# Altium PCB PCB1.PcbDoc
Units mm, origin at the board's own origin, x right, y up, seen from the top; angles counter-clockwise.
Board outline 152.4 x 101.6 mm, 2 copper layers (Top Layer, Bottom Layer); 94 components, 78 nets, 346 pads, 103 vias.
Unrouted connection lines stored in the file: 34.
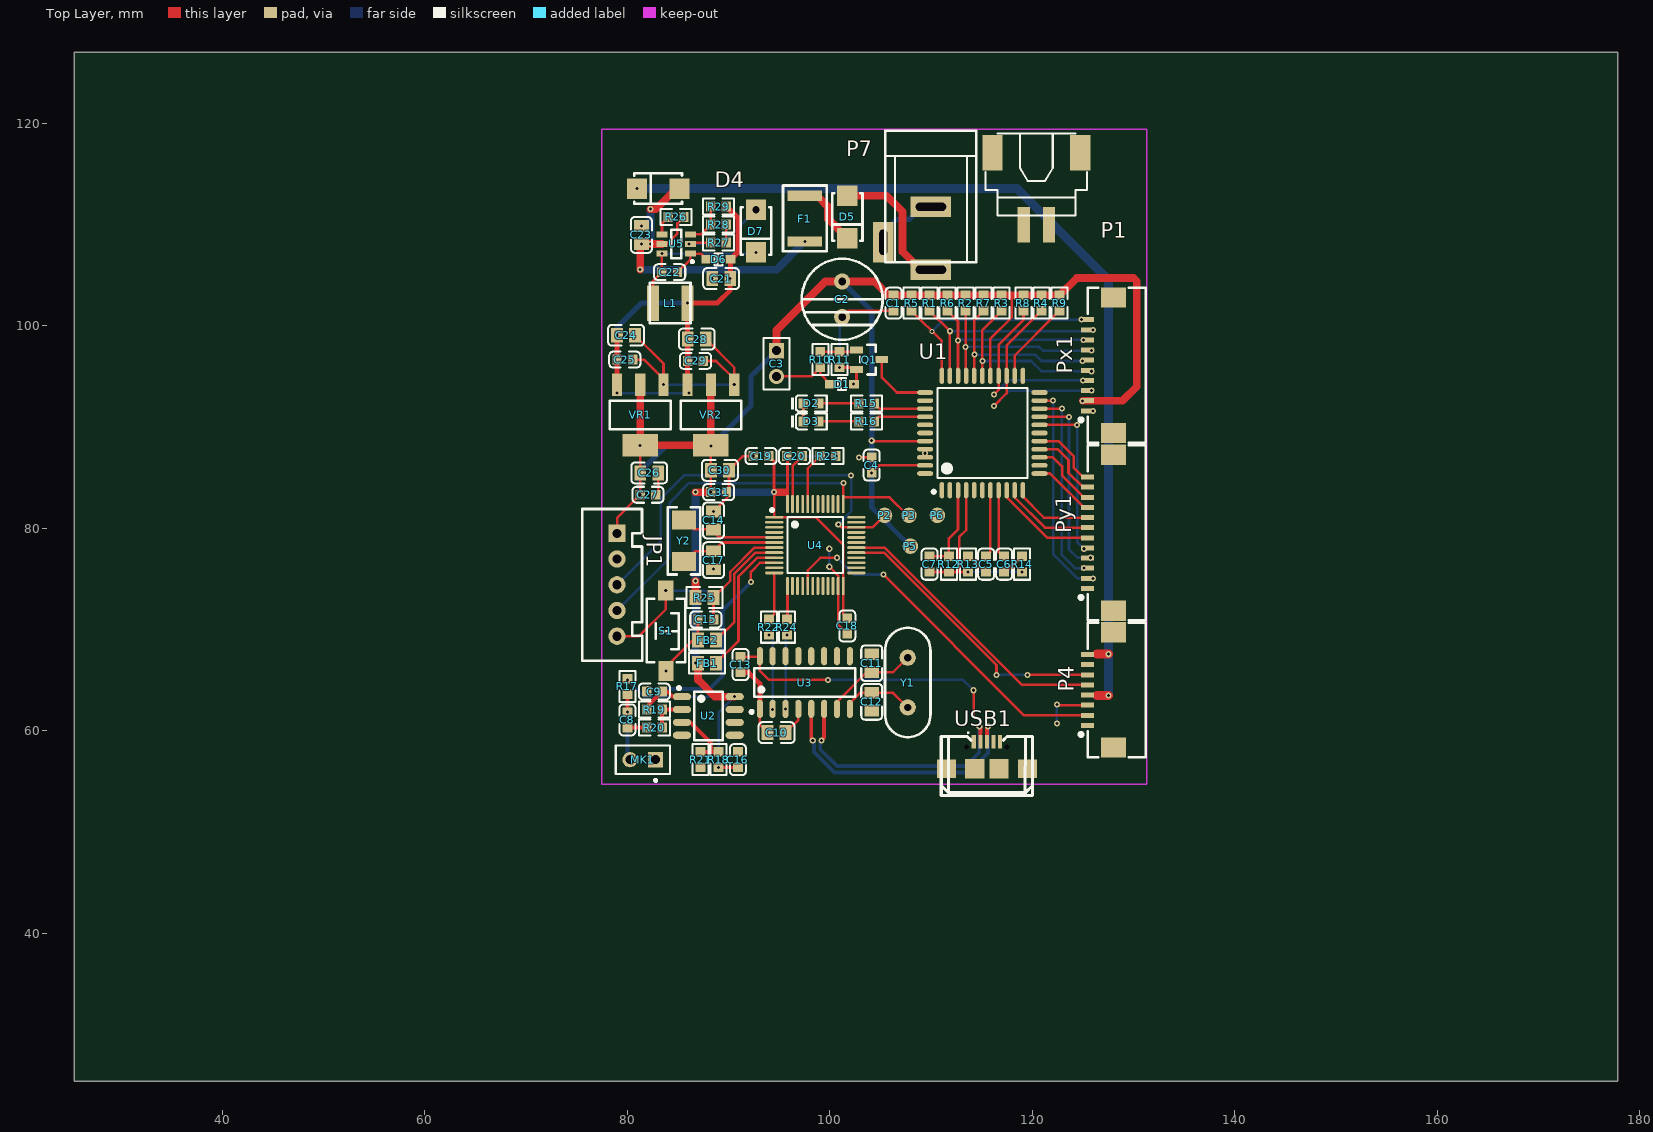
[diagram p0: Top Layer view]
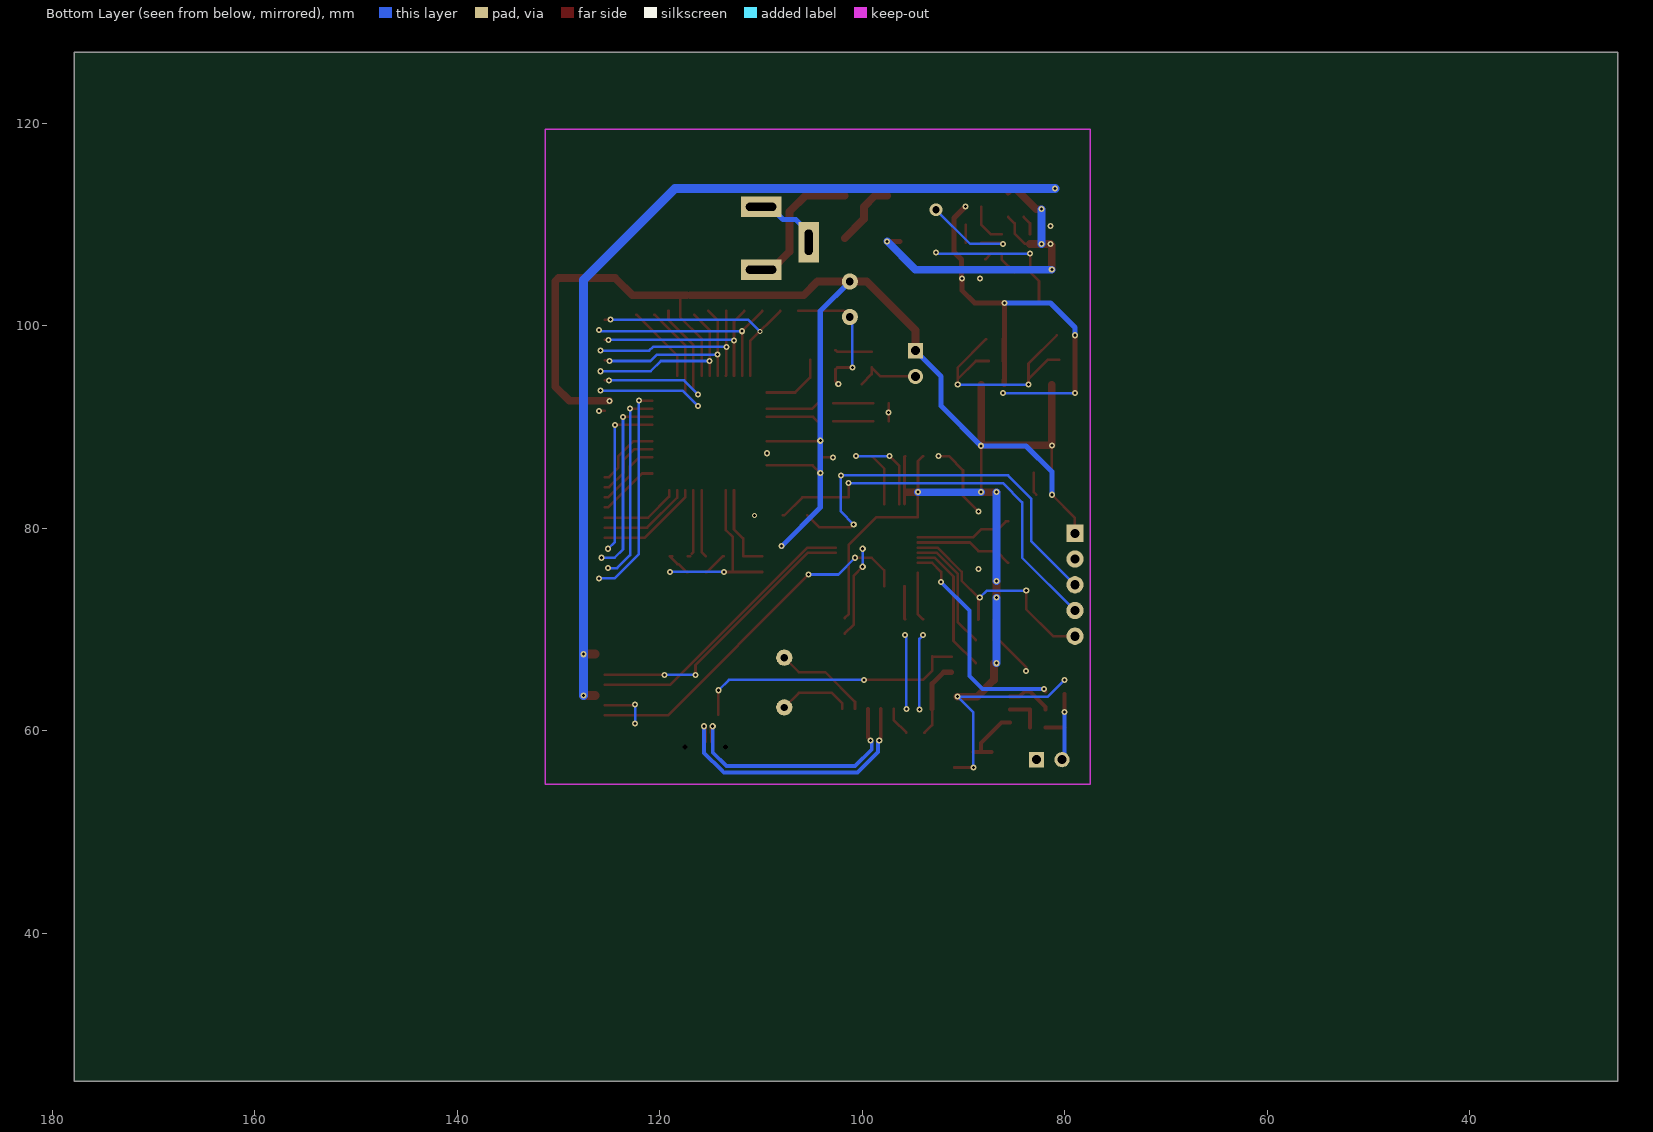
[diagram p1: Bottom Layer view, seen from below]
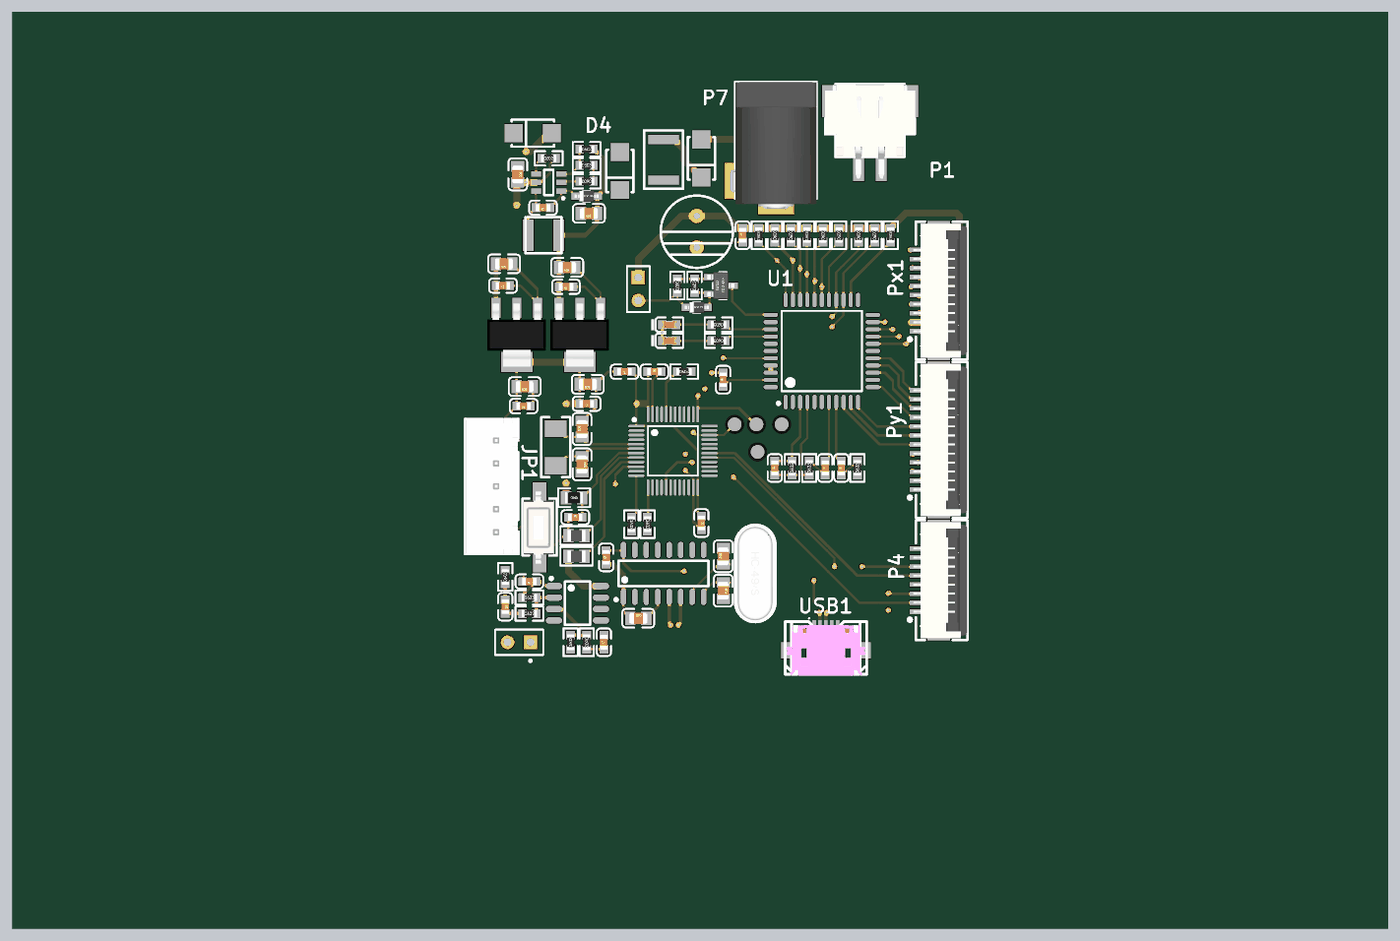
[diagram p2: 3D render of the assembled board from above, using the file's embedded part models]

## Layer stack, top to bottom
Top Solder: solder mask 0.0102, Solder Resist, Dk 3.5
Top Layer: signal copper 0.0356
Dielectric 1: dielectric 0.32, FR-4, Dk 4.8
Bottom Layer: signal copper 0.0356
Bottom Solder: solder mask 0.0102, Solder Resist, Dk 3.5

## Board outline
25.4,25.4 177.8,25.4 177.8,127 25.4,127

## Design rules (kind name [scope] priority, off if disabled: settings)
Clearance [All] p1: gap=0.152
PolygonConnect [All] p1: connectstyle=Relief reliefconductorwidth=0.254 reliefentries=4 polygonreliefangle="90 Angle" airgapwidth=0.254
RoutingVias [All] p1: holewidth=0.711 width=1.27 viastyle="Through Hole" minholewidth=0.3 minwidth=0.6 maxholewidth=0.711 maxwidth=1.27
SolderMaskExpansion [All] p1: expansion=0.102
Width [All] p1: maxlimit=1.27 minlimit=0.152 preferedwidth=0.254
30 further rules are at their usual default settings.

## Components (designator, comment, footprint, x,y, rotation, side; value= is the part's Value field where it differs from the comment)
C1 "100nF (104) 10% 50V" 0603_C 106.299,102.235 r90 top
C2 "220uF" 8X12_CAP 101.219,102.616 r270 top
C3 "10uF" HDR1X2 94.742,97.536 r270 top
C4 "100nF (104) 10% 50V" 0603_C 104.14,86.233 r90 top
C5 "100nF (104) 10% 50V" 0603_C 115.443,76.454 r90 top
C6 "100nF (104) 10% 50V" 0603_C 117.221,76.454 r90 top
C7 "470pF (471) 10% 50V" 0603_C 109.855,76.454 r90 top
C8 "100nF (104) 10% 50V" 0603_C 80.01,61.087 r270 top
C9 "4.7uF (475) 10% 16V" 0603_C 82.677,63.881 r180 top
C10 "100pF (101) 5% 50V" 0805_C 94.742,59.817 r0 top
C11 "22pF (220) 5% 50V" 0805_C 104.14,66.675 r90 top
C12 "22pF (220) 5% 50V" 0805_C 104.14,62.865 r270 top
C13 "100nF (104) 10% 50V" 0603_C 91.186,66.548 r90 top
C14 "22pF (220) 5% 50V" 0805_C 88.519,80.772 r90 top
C15 "100nF (104) 10% 50V" 0603_C 87.757,70.993 r0 top
C16 "100nF (104) 10% 50V" 0603_C 90.932,57.15 r90 top
C17 "22pF (220) 5% 50V" 0805_C 88.519,76.853 r270 top
C18 "100nF (104) 10% 50V" 0603_C 101.727,70.358 r270 top
C19 "100nF (104) 10% 50V" 0603_C 93.218,87.122 r180 top
C20 "100nF (104) 10% 50V" 0603_C 96.52,87.122 r0 top
C21 "22uF (226) 20% 25V" 0805_C 89.273,104.648 r180 top
C22 "22nF (223) 10% 50V" 0603_C 84.193,105.283 r180 top
C23 "10uF (106) 10% 25V" 0805_C 81.399,108.966 r270 top
C24 "10uF (106) 10% 25V" 0805_C 79.883,99.06 r180 top
C25 "100nF (104) 10% 50V" 0603_C 79.756,96.647 r180 top
C26 "10uF (106) 10% 25V" 0805_C 82.169,85.471 r180 top
C27 "100nF (104) 10% 50V" 0603_C 82.042,83.312 r180 top
C28 "10uF (106) 10% 25V" 0805_C 86.868,98.679 r180 top
C29 "100nF (104) 10% 50V" 0603_C 86.741,96.52 r180 top
C30 "10uF (106) 10% 25V" 0805_C 89.154,85.725 r180 top
C31 "100nF (104) 10% 50V" 0603_C 89.027,83.566 r180 top
D1 "1N4148WS T4" SOD-323 101.219,94.234 r0 top
D2 "绿灯 0603" 0603_LED_S1 98.163,92.329 r0 top
D3 "蓝灯 0603" 0603_LED_S1 98.163,90.551 r0 top
D4 "M7" SMA(DO-214AC)_S1 83.058,113.538 r0 top
D5 "SS54" SMA(DO-214AC)_S1 101.727,110.744 r90 top
D6 "1N4148WS T4" SOD-323 89.019,106.553 r0 top
D7 "SS210" SMA(DO-214AC)_S1 92.702,109.347 r90 top
F1 "SMD1812P260_FUSE" SMD1812P260 97.536,112.831 r270 top
FB1 "100Ω ±25% 100MHz" 0805_L 87.884,66.675 r0 top
FB2 "100Ω ±25% 100MHz" 0805_L 87.884,68.961 r0 top
JP1 "HDR-1X5" XH2.54-LI-5P 78.994,74.422 r270 top
L1 "4.7uH ±10%" L_4030 82.242,100.235 r0 top
MK1 "Mic2" PIN2 82.804,57.15 r180 top
P1 "Header 2" XH2.54-WS-2P 120.396,114.935 r180 top
P2 "TP" TP 105.41,81.28 r0 top
P3 "TP" TP 107.823,81.28 r0 top
P4 "Header 8" FPC1.0-2H-WS-8P 128.016,64.033 r90 top
P5 "TP" TP 107.95,78.232 r0 top
P6 "TP" TP 110.617,81.28 r0 top
P7 "Header 3" DC-005 109.982,111.737 r90 top
Px1 "Header 10" FPC1.0-2H-WS-10P 128.016,96.098 r90 top
Py1 "Header 12" FPC1.0-2H-WS-12P 128.016,79.559 r90 top
Q1 "SS8050 Y1" SOT-23(SOT-23-3) 103.886,96.647 r180 top
R1 "47KΩ (4702) ±1%" 0603_R 109.855,102.235 r90 top
R2 "47KΩ (4702) ±1%" 0603_R 113.411,102.235 r90 top
R3 "47KΩ (4702) ±1%" 0603_R 116.967,102.235 r90 top
R4 "47KΩ (4702) ±1%" 0603_R 120.904,102.235 r90 top
R5 "47KΩ (4702) ±1%" 0603_R 108.077,102.235 r90 top
R6 "47KΩ (4702) ±1%" 0603_R 111.633,102.235 r90 top
R7 "47KΩ (4702) ±1%" 0603_R 115.189,102.235 r90 top
R8 "47KΩ (4702) ±1%" 0603_R 119.126,102.235 r90 top
R9 "270KΩ (2703) ±1%" 0603_R 122.682,102.235 r90 top
R10 "10KΩ (1002) ±1%" 0603_R 99.06,96.647 r270 top
R11 "100KΩ (1003) ±1%" 0603_R 100.965,96.647 r90 top
R12 "47KΩ (4702) ±1%" 0603_R 111.76,76.454 r90 top
R13 "10KΩ (1002) ±1%" 0603_R 113.665,76.454 r90 top
R14 "10KΩ (1002) ±1%" 0603_R 118.999,76.454 r90 top
R15 "220Ω (2200) ±1%" 0603_R 103.624,92.329 r180 top
R16 "220Ω (2200) ±1%" 0603_R 103.624,90.551 r180 top
R17 "10KΩ (1002) ±1%" 0603_R 80.01,64.389 r90 top
R18 "10KΩ (1002) ±1%" 0603_R 89.027,57.15 r270 top
R19 "49.9KΩ (4992) ±1%" 0603_R 82.677,62.103 r0 top
R20 "1KΩ (1001) ±1%" 0603_R 82.677,60.325 r0 top
R21 "10KΩ (1002) ±1%" 0603_R 87.249,57.15 r90 top
R22 "100Ω (1000) ±1%" 0603_R 93.98,70.231 r270 top
R23 "10KΩ (1002) ±1%" 0603_R 99.822,87.122 r0 top
R24 "100Ω (1000) ±1%" 0603_R 95.758,70.231 r270 top
R25 "10KΩ (1002) ±1%" 0805_R 87.63,73.152 r180 top
R26 "100KΩ (1003) ±1%" 0603_R 84.828,110.744 r0 top
R27 "2KΩ (2001) ±1%" 0603_R 89.019,108.204 r180 top
R28 "7.5KΩ (7501) ±1%" 0603_R 89.019,109.982 r0 top
R29 "49.9KΩ (4992) ±1%" 0603_R 89.019,111.76 r0 top
S1 "SW-SPST" "TSW SMD-3*6*2.5" 83.82,69.85 r270 top
U1 "F44_Piano" LQFP-44_10x10x08P 115.062,89.408 r0 top
U2 "LM358DR2G" SOIC-8_150mil 88.011,61.468 r270 top
U3 "CH340G" SOIC-16_150mil 97.536,64.77 r0 top
U4 "STM32F030C8T6" LQFP-48_7x7x05P 98.572,78.345 r270 top
U5 "MP2359DJ-LF-Z" SOT-23-6 84.828,108.077 r0 top
USB1 "MicroUSB" MicroUSB 114.213,58.936 r270 top
VR1 "AMS1117-3.3" SOT-223 81.28,91.186 r90 top
VR2 "AMS1117-3.3" SOT-223 88.265,91.186 r90 top
Y1 "12MHz" Y 107.696,64.77 r270 top
Y2 "8MHz" SMD-5032_2P 85.598,78.758 r270 top

## Footprints (in the part's own frame and the unit in brackets; to place one, negate y for a bottom-side part, rotate by r counter-clockwise, add the part's x,y. Pads: shape width x height; smd on the part's side, far side on the other; paste and mask are expansions set on the pad)
8X12_CAP [mm]
  round 1.6 hole 0.75: 1(-1.75,0) 2(1.75,0)
  silkscreen extent -4,-4 4,4
0603_C [mm]
  rect 0.93x0.98 smd: 1(-0.77,0) 2(0.77,0)
  silkscreen extent -1.53,-0.79 1.54,0.79, body extent -0.8,-0.4 0.8,0.4, height 0.3
0603_LED_S1 [mm]
  rect 0.93x0.98 smd: A(0.77,0) K(-0.77,0)
  silkscreen extent -1.97,-0.79 1.54,0.79, body extent -0.8,-0.4 0.8,0.4, height 0.6
0603_R [mm]
  rect 0.93x0.98 smd: 1(-0.77,0) 2(0.77,0)
  silkscreen extent -1.53,-0.79 1.54,0.79, body extent -0.85,-0.4 0.85,0.4, height 0.56
0805_C [mm]
  rect 1.16x1.47 smd: 1(-0.89,0) 2(0.89,0)
  silkscreen extent -1.77,-1.04 1.77,1.04, body extent -1,-0.62 1,0.63, height 0.77
0805_L [mm]
  rect 1.16x1.47 smd: 1(-0.89,0) 2(0.89,0)
  silkscreen extent -1.77,-1.04 1.77,1.03, body extent -1.02,-0.64 1.03,0.64, height 0.6
0805_R [mm]
  rect 1.16x1.47 smd: 1(-0.89,0) 2(0.89,0)
  silkscreen extent -1.77,-1.04 1.77,1.03, body extent -1,-0.62 1,0.63, height 0.49
DC-005 [mm] "5.5*2.1mm，DC30V,2.5A"
  rect 2x4 hole 0.8 slot 3 at 90 deg: 1(-6.2,0) 2(0,0)
  rect 4x2 hole 0.8 slot 2.5 at 0 deg: 3(-3.5,4.7)
  silkscreen extent -5.48,-4.5 7.5,4.5, body extent -6.55,-4.5 7.5,4.8, height 11.2
FPC1.0-2H-WS-8P [mm] "翻盖FPC，脚距1mm，不含脚（长12.9mm，宽5.2mm，高1.96mm）"
  rect 2x2.5 smd: 0(-5.69,0) 0(5.69,0)
  rect 0.5x1.25 smd: 1(-3.5,2.575) 2(-2.5,2.575) 3(-1.5,2.575) 4(-0.5,2.575) 5(0.5,2.575) 6(1.5,2.575) 7(2.5,2.575) 8(3.5,2.575)
  silkscreen extent -6.64,-3.18 6.64,3.31, body extent -6.45,-3.15 6.45,2.85, height 2
FPC1.0-2H-WS-10P [mm] "翻盖FPC，脚距1mm，不含脚（长14.9mm，宽5.2mm，高1.96mm）"
  rect 2x2.5 smd: 0(-6.69,0) 0(6.69,0)
  rect 0.5x1.25 smd: 1(-4.5,2.575) 2(-3.5,2.575) 3(-2.5,2.575) 4(-1.5,2.575) 5(-0.5,2.575) 6(0.5,2.575) 7(1.5,2.575) 8(2.5,2.575) 9(3.5,2.575) 10(4.5,2.575)
  silkscreen extent -7.64,-3.18 7.64,3.31, body extent -7.45,-3.15 7.45,2.85, height 2
FPC1.0-2H-WS-12P [mm] "翻盖FPC，脚距1mm，不含脚（长16.9mm，宽5.2mm，高1.96mm）"
  rect 2x2.5 smd: 0(-7.69,0) 0(7.69,0)
  rect 0.5x1.25 smd: 1(-5.5,2.575) 2(-4.5,2.575) 3(-3.5,2.575) 4(-2.5,2.575) 5(-1.5,2.575) 6(-0.5,2.575) 7(0.5,2.575) 8(1.5,2.575) 9(2.5,2.575) 10(3.5,2.575) 11(4.5,2.575) 12(5.5,2.575)
  silkscreen extent -8.64,-3.18 8.64,3.31, body extent -8.45,-3.15 8.45,2.85, height 2
HDR1X2 [mm] "Connector; Header; 2 Position"
  rect 1.5x1.5 hole 0.9: 1(0,0)
  round 1.5 hole 0.9: 2(2.54,0)
  silkscreen extent -1.27,-1.27 3.81,1.27
L_4030 [mm]
  rect 1.2x3.5 smd: 1(0.3,2) 2(3.7,2)
  silkscreen extent 0,0 4,4
LQFP-44_10x10x08P [mm]
  oval 0.45x1.6 smd: 1(-4,-5.65) 2(-3.2,-5.65) 3(-2.4,-5.65) 4(-1.6,-5.65) 5(-0.8,-5.65) 6(0,-5.65) 7(0.8,-5.65) 8(1.6,-5.65) 9(2.4,-5.65) 10(3.2,-5.65) 11(4,-5.65) 23(4,5.65) 24(3.2,5.65) 25(2.4,5.65) 26(1.6,5.65) 27(0.8,5.65) 28(0,5.65) 29(-0.8,5.65) 30(-1.6,5.65) 31(-2.4,5.65) 32(-3.2,5.65) 33(-4,5.65)
  oval 1.6x0.45 smd: 12(5.65,-4) 13(5.65,-3.2) 14(5.65,-2.4) 15(5.65,-1.6) 16(5.65,-0.8) 17(5.65,0) 18(5.65,0.8) 19(5.65,1.6) 20(5.65,2.4) 21(5.65,3.2) 22(5.65,4) 34(-5.65,4) 35(-5.65,3.2) 36(-5.65,2.4) 37(-5.65,1.6) 38(-5.65,0.8) 39(-5.65,0) 40(-5.65,-0.8) 41(-5.65,-1.6) 42(-5.65,-2.4) 43(-5.65,-3.2) 44(-5.65,-4)
  silkscreen extent -4.95,-5.95 4.45,4.45
LQFP-48_7x7x05P [mm]
  oval 0.28x1.8 smd mask+0.051: 1(-2.75,-4.05) 2(-2.25,-4.05) 3(-1.75,-4.05) 4(-1.25,-4.05) 5(-0.75,-4.05) 6(-0.25,-4.05) 7(0.25,-4.05) 8(0.75,-4.05) 9(1.25,-4.05) 10(1.75,-4.05) 11(2.25,-4.05) 12(2.75,-4.05) 25(2.75,4.05) 26(2.25,4.05) 27(1.75,4.05) 28(1.25,4.05) 29(0.75,4.05) 30(0.25,4.05) 31(-0.25,4.05) 32(-0.75,4.05) 33(-1.25,4.05) 34(-1.75,4.05) 35(-2.25,4.05) 36(-2.75,4.05)
  oval 1.8x0.28 smd mask+0.051: 13(4.05,-2.75) 14(4.05,-2.25) 15(4.05,-1.75) 16(4.05,-1.25) 17(4.05,-0.75) 18(4.05,-0.25) 19(4.05,0.25) 20(4.05,0.75) 21(4.05,1.25) 22(4.05,1.75) 23(4.05,2.25) 24(4.05,2.75) 37(-4.05,2.75) 38(-4.05,2.25) 39(-4.05,1.75) 40(-4.05,1.25) 41(-4.05,0.75) 42(-4.05,0.25) 43(-4.05,-0.25) 44(-4.05,-0.75) 45(-4.05,-1.25) 46(-4.05,-1.75) 47(-4.05,-2.25) 48(-4.05,-2.75)
  silkscreen extent -3.6,-4.42 2.75,2.75
MicroUSB [mm] "Connector; USB1.1, Type B, SM; 4 Position; Right Angle"
  rect 1.8x1.9 smd: 0(2.675,5.3) 0(2.675,-2.7)
  rect 1.9x1.9 smd: 0(2.675,2.5) 0(2.675,0.1)
  rect 1.35x0.4 smd mask+0.001: 1(0,0) 2(0,0.65) 3(0,1.3) 4(0,1.95) 5(0,2.6)
  round 0 hole 0.5 unplated mask+0.001: MH1(0.525,3.3) MH2(0.525,-0.7)
  silkscreen extent -0.89,-3.21 5.33,5.81, body extent -0.11,-3.09 5.52,5.71, height 2.79
PIN2 [mm] "Photosensitive Diode; 2 Leads"
  rect 1.5x1.5 hole 0.9: 1(0,0)
  round 1.5 hole 0.9: 2(2.54,0)
  silkscreen extent -1.4,-1.4 3.94,2.17
SMA(DO-214AC)_S1 [mm]
  rect 2x2 smd: 1(2.1,0) 2(-2.1,0)
  silkscreen extent -2.35,-1.5 2.35,1.5
SMD1812P260 [mm]
  rect 1x3.41 smd: 1(0,0) 2(4.5,0)
  silkscreen extent -1.02,-2.16 5.46,2.16
SMD-5032_2P [mm]
  rect 1.9x2.4 smd: 1(-2.05,0) 2(2.05,0)
  silkscreen extent -3.32,-1.6 3.32,1.6
SOD-323 [mm]
  rect 1x0.83 smd: 1(1.18,0) 2(-1.18,0)
  silkscreen extent -0.4,-0.6 0.4,0.6, body extent -1.35,-0.62 1.35,0.63, height 1.1
SOIC-8_150mil [mm]
  oval 0.7x1.8 smd: 1(-1.905,-2.6) 2(-0.635,-2.6) 3(0.635,-2.6) 4(1.905,-2.6) 5(1.905,2.6) 6(0.635,2.6) 7(-0.635,2.6) 8(-1.905,2.6)
  silkscreen extent -2.9,-3.05 2.4,1.4
SOIC-16_150mil [mm]
  oval 0.6x1.8 smd: 1(-4.445,-2.6) 2(-3.175,-2.6) 3(-1.905,-2.6) 4(-0.635,-2.6) 5(0.635,-2.6) 6(1.905,-2.6) 7(3.175,-2.6) 8(4.445,-2.6) 9(4.445,2.6) 10(3.175,2.6) 11(1.905,2.6) 12(0.635,2.6) 13(-0.635,2.6) 14(-1.905,2.6) 15(-3.175,2.6) 16(-4.445,2.6)
  silkscreen extent -5.4,-3.05 4.97,1.4
SOT-23(SOT-23-3) [mm]
  rect 1.25x0.7 smd: 1(1.25,-0.95) 2(1.25,0.95) 3(-1.25,0)
  silkscreen extent -0.65,-1.46 0.9,1.46, body extent -1.5,-1.5 1.5,1.5, height 1.3
SOT-23-6 [mm]
  rect 1.1x0.6 smd: 1(1.4,-0.95) 2(1.4,0) 3(1.4,0.95) 4(-1.4,0.95) 5(-1.4,0) 6(-1.4,-0.95)
  silkscreen extent -0.5,-1.87 1.73,1.4
SOT-223 [mm]
  rect 2.2x1 smd: 1(3,-2.3) 2(3,0) 3(3,2.3)
  rect 2.2x3.5 smd: 2(-3,0)
  silkscreen extent -1.4,-3 1.4,3, body extent -3.49,-3.24 3.49,3.24, height 1.64
TP [mil]
  round 60 smd mask+11.81: 1(0,0)
"TSW SMD-3*6*2.5" [mm] "3*6*2.5mm"
  rect 2x1.5 smd: 1(-3.996,-0.02) 2(3.937,0)
  silkscreen extent -3.21,-1.9 3.09,1.9, body extent -4,-1.88 4,1.62, height 2.59
XH2.54-LI-5P [mm] "接插件，5P"
  rect 1.7x1.7 hole 0.9: 1(-5.08,0)
  round 1.7 hole 0.9: 2(-2.54,0) 3(0,0) 4(2.54,0) 5(5.08,0)
  silkscreen extent -7.48,-3.45 7.52,2.49, body extent -7.58,-3.3 7.58,2.4, height 7.03
XH2.54-WS-2P [mm] "长：10mm，宽：8mm，高：6.1mm"
  rect 2x3.5 smd: 0(-4.327,-2.15) 0(4.327,-2.15)
  rect 1.2x3.5 smd: 1(-1.25,4.981) 2(1.25,4.981)
  silkscreen extent -5,-4.06 5,4.06, body extent -5,-4 5,6.42, height 6.05
Y [mm]
  round 1.6 hole 0.7: 1(-2.45,0) 2(2.45,0)
  silkscreen extent -5.39,-2.25 5.39,2.25, body extent -5.39,-2.27 5.41,2.23, height 3.6

## Part data
C1 C4 C5 C6 C8 C13 C15 C16 C18 C19 C20 C25 C27 C29 C31: library part "0603 100nF (104) 10% 50V", "贴片电容"
C2 C3: library part CAP
C7: library part "0603 470pF (471) 10% 50V", "贴片电容"
C9: library part "0603 4.7uF (475) 10% 16V", "贴片电容"
C10: library part "0805 100pF (101) 5% 50V", "贴片电容"
C11 C12 C14 C17: library part "0805 22pF (220) 5% 50V", "贴片电容"
C21: library part "0805 22uF (226) 20% 25V", "贴片电容"
C22: library part "0603 22nF (223) 10% 50V", "贴片电容"
C23 C24 C26 C28 C30: library part "0805 10uF (106) 10% 25V", "贴片电容"
D1 D6: library part "SOD-323 1N4148WS T4", "二极管"
D2: library part "0603 绿灯", "发光二极管"
D3: library part "0603 蓝灯", "发光二极管"
D4: library part "SMA(DO-214AC) M7", "二极管"
D5: library part "SMA(DO-214AC) SS54", "二极管"
D7: library part "SMA(DO-214AC) SS210", "二极管"
FB1 FB2: library part "0805 100Ω 25% 100MHz", "贴片磁珠"
JP1: library part "Header 5", "5P接插件"
L1: library part "0603 4.7uH 10%", "贴片电感"
MK1: "Microphone"
P1: "Header, 2-Pin"
P4: "Header, 8-Pin"
P7: "Header, 3-Pin"
Px1: "Header, 10-Pin"
Py1: "Header, 12-Pin"
Q1: library part "SOT-23 SS8050 Y1", "三极管"
R1 R2 R3 R4 R5 R6 R7 R8 R12: library part "0603 47KΩ (4702) 1%", "贴片电阻"
R9: library part "0603 270KΩ (2703) 1%", "贴片电阻"
R10 R13 R14 R17 R18 R21 R23: library part "0603 10KΩ (1002) 1%", "贴片电阻"
R11 R26: library part "0603 100KΩ (1003) 1%", "贴片电阻"
R15 R16: library part "0603 220Ω (2200) 1%", "贴片电阻"
R19 R29: library part "0603 49.9KΩ (4992) 1%", "贴片电阻"
R20: library part "0603 1KΩ (1001) 1%", "贴片电阻"
R22 R24: library part "0603 100Ω (1000) 1%", "贴片电阻"
R25: library part "0805 10KΩ (1002) 1%", "贴片电阻"
R27: library part "0603 2KΩ (2001) 1%", "贴片电阻"
R28: library part "0603 7.5KΩ (7501) 1%", "贴片电阻"
S1: "Single-Pole, Single-Throw Switch"
U2: library part LM358DR2G_[C7950], "通用运放"
U3: library part CH340G_[C14267], "USB"
U4: "ARM"
U5: library part MP2359DJ-LF-Z_[C14259], "DC-DCоƬ"
VR1 VR2: library part "SOT-223 AMS1117-3.3", "低压差线性稳压(LDO)"
Y1 Y2: library part "SMD-5032_2P 8MHz 20ppm 20pF", "贴片晶振"

## Via types
v1: diameter 0.6, hole 0.3, Top Layer to Bottom Layer, 100 vias
v2: diameter 0.5, hole 0.3, Top Layer to Bottom Layer, 2 vias
v3: diameter 1.27, hole 0.711, Top Layer to Bottom Layer, 1 vias

## Nets (pads, with @x,y where several pads share a name; then routed paths per layer and width w, separated by ;. In a path a pad name is that pad's centre, name@x,y a point inside that pad or via, vN(x,y) a via of type N, cw(c..) or ccw(c..) an arc to the next point about the centre after c; other vN are vias at no path point)
AMP_N: P1.2 U1.1
AMP_P: P1.1 U1.44
AOUT: C7.2 R12.2 U1.3 | length 8.8
  Top Layer w0.254: C7.2 R12.2 111.76,78.994 112.662,79.896 U1.3
D_N: U3.6 USB1.2 | length 25.3
  Top Layer w0.381: v1(99.169,59.055) 99.441,59.327 U3.6 ; v1(114.761,60.452) 114.871,60.343 114.871,59.809 114.863,59.802 USB1.2
  Bottom Layer w0.381: v1(99.169,59.055) 99.06,58.946 99.06,58.166 100.711,56.515 113.411,56.515 114.761,57.865 v1(114.761,60.452)
D_P: U3.5 USB1.3 | length 27.1
  Top Layer w0.381: v1@98.171,59.293 U3.5 ; USB1.3 115.513,59.802 115.506,59.809 115.506,60.343 v1(115.615,60.452)
  Bottom Layer w0.381: v1(98.316,59.055) 98.425,58.946 98.425,57.903 100.262,56.066 100.448,55.88 113.674,55.88 113.86,56.066 115.615,57.821 v1(115.615,60.452)
DATA_IN: P4.2 U4.17 | length 36.1
  Top Layer w0.254: U4.17 97.822,75.851 99.06,77.089 v1(100.711,77.089) ; v1(105.283,75.438) 119.188,61.533 P4.2
  Bottom Layer w0.254: v1(100.711,77.089) 102.362,75.438 v1(105.283,75.438)
DEBUG_RX: R24.1 U4.13 | length 3.3
  Top Layer w0.254: R24.1 95.822,71.065 U4.13
DEBUG_TX: R22.1 U4.12 | length 4.8
  Top Layer w0.254: R22.1 94.522,71.543 U4.12
GND: C1.1 C2.2 C4.2 C10.1 C11.2 C12.2 C13.1 C14.2 C15.1 C16.2 C17.2 C18.2 C19.2 C20.2 C21.2 C23.1 C24.1 C25.1 C26.1 C27.1 C28.1 C29.1 C30.1 C31.1 D1.1 D2.K D3.K FB2.1 JP1.2 MK1.1 P4.1 P4.3 P4.7 P6.1 P7.2 P7.3 Px1.1 Q1.2 R11.1 R21.1 R23.2 S1.2 U1.41 U1.42 U2.4 U3.1 U4.23 U4.47 USB1.0 USB1.5 VR1.1 VR2.1 | length 96.9
  Top Layer w0.254: C25.1 81.661,96.647 VR1.1@83.58,94.728 ; C24.1 83.58,96.253 VR1.1@83.58,94.728 ; C27.1 83.059,83.559 C26.1 ; v1(83.58,94.186) VR1.1@83.58,94.728 ; v1(83.82,65.913) 83.82,66.294 86.487,68.961 FB2.1 86.987,68.968 C15.1 ; C29.1 88.773,96.52 VR2.1@90.565,94.728 ; C28.1 90.565,95.872 VR2.1@90.565,94.728 ; v1(88.519,81.661) 90.044,83.187 C30.1 91.441,87.122 C19.2 v1(92.456,87.122) ; VR2.1@90.565,94.457 VR2.1@90.565,94.728 ; U3.1 93.091,60.578 C10.1 ; U4.47 96.322,86.154 v1(97.29,87.122) ; D3.K v1(97.393,91.44) D2.K ; v1(99.949,76.2) 100.822,75.327 U4.23 100.822,70.493 C18.2 ; v1(100.965,95.877) 102.456,95.877 Q1.2 102.636,94.508 v1(102.362,94.234) ; C2.2 101.818,101.465 C1.1 ; v1(102.87,86.995) 102.878,87.003 C4.2 ; v1(122.428,62.582) 122.379,62.533 P4.3 ; Px1.1 125.953,91.598 v1(125.984,91.567)
  Top Layer w0.508: C13.1 91.956,65.778 93.091,64.643 U3.1
  Bottom Layer w0.254: v1(83.58,94.186) v1(90.565,94.186) ; v1(97.29,87.122) v1(100.592,87.122) ; v1(99.949,76.2) v1(99.949,77.978) ; v1(100.965,95.877) 100.965,100.612 C2.2 ; v1(122.428,60.706) v1(122.428,62.582)
  Bottom Layer w0.508: P7.3 105.282,109.219 106.553,110.49 107.823,110.49 109.07,111.737 P7.2
  other v1: 88.519,75.964 109.412,87.408 88.384,104.648 81.399,109.856
  other v2: 110.617,81.28
GNDA: FB2.2 U4.8 | length 12.1
  Top Layer w0.254: FB2.2 90.576,70.763 90.576,75.524 92.648,77.595 U4.8
NetC3_2: C3.2 D1.2 R10.2 | length 6.7
  Top Layer w0.254: C3.2 98.179,94.996 R10.2 99.06,95.213 D1.2
NetC5_1: C5.1 R13.2 | length 2.4
  Top Layer w0.254: R13.2 113.784,77.224 115.324,75.684 C5.1
NetC5_2: C5.2 U1.7 | length 6.7
  Top Layer w0.254: C5.2 115.862,77.643 U1.7
NetC6_1: C6.1 R14.2 | length 2.7
  Top Layer w0.254: C6.1 117.34,75.684 118.118,76.462 118.237,76.462 R14.2 R14.2@118.761,77.224
NetC6_2: C6.2 U1.8 | length 6.6
  Top Layer w0.254: U1.8 116.662,77.648 C6.2@116.84,77.47 ; C6.2@116.959,77.224 C6.2
NetC7_1: C7.1 R12.1 R13.1 R14.1 U1.4 | length 17.5
  Top Layer w0.254: C7.1 R12.1 112.776,75.684 ; U1.4 113.462,79.807 112.776,79.121 112.776,75.684 ; v1(113.665,75.684) 112.776,75.684
  Bottom Layer w0.254: v1(113.665,75.684) 113.673,75.692 v1(118.999,75.692)
NetC8_1: C8.1 MK1.2 R17.1 | length 6.6
  Top Layer w0.381: v1(80.01,61.857) R17.1
  Bottom Layer w0.381: v1(80.01,61.857) 80.01,57.404 MK1.2
NetC8_2: C8.2 R20.1 | length 1.9
  Top Layer w0.381: C8.2 81.899,60.317 R20.1
NetC9_1: C9.1 R19.1 U2.1 | length 4.6
  Top Layer w0.381: R19.1 81.907,62.341 C9.1 83.947,63.881 84.455,63.373 U2.1
NetC10_2: C10.2 U3.4 | length 2.9
  Top Layer w0.254: C10.2 96.901,61.086 U3.4
NetC11_1: C11.1 U3.7 Y1.1 | length 9.5
  Top Layer w0.254: U3.7 100.711,62.865 103.631,65.785 C11.1 106.261,65.785 Y1.1
NetC12_1: C12.1 U3.8 Y1.2 | length 7.3
  Top Layer w0.254: U3.8 101.981,62.738 102.998,63.755 C12.1 106.261,63.755 Y1.2
NetC22_1: C22.1 D6.2 U5.1 | length 4.2
  Top Layer w0.254: C22.1 86.228,106.548 U5.1 87.265,107.127 D6.2
NetC22_2: C22.2 D7.2 L1.1 U5.6 | length 14.6
  Top Layer w0.254: L1.1 82.542,104.402 C22.2 83.423,107.122 v1(83.428,107.127)
  Bottom Layer w0.254: v1(83.428,107.127) 92.582,107.127 v1(92.702,107.247)
NetD2_A: D2.A R15.2 | length 3.9
  Top Layer w0.254: D2.A R15.2
NetD3_A: D3.A R16.2 | length 3.9
  Top Layer w0.254: D3.A R16.2
NetD4_2: D4.2 P4.4 P4.8 | length 93.6
  Top Layer w0.889: 126.365,63.5 v1(127.508,63.5) ; 126.365,67.564 v1(127.508,67.564)
  Bottom Layer w0.889: v1(80.958,113.538) 118.491,113.538 127.508,104.521 v1(127.508,67.564) v1(127.508,63.5)
NetD5_1: D5.1 P7.1 | length 13.6
  Top Layer w0.762: D5.1 105.596,112.844 107.188,111.252 107.188,107.315 108.999,105.504 P7.1@109.983,105.504
NetD5_2: D5.2 F1.1 | length 6.6
  Top Layer w0.762: F1.1 98.751,112.831 99.822,111.76 99.822,110.549 D5.2
NetQ1_1: Q1.1 R10.1 R11.2 | length 3.7
  Top Layer w0.254: R10.1 102.456,97.417 Q1.1
NetQ1_3: Q1.3 U1.34 | length 6.6
  Top Layer w0.254: Q1.3 105.136,94.889 106.617,93.408 U1.34
NetR9_1: R9.1 U1.24 | length 7.7
  Top Layer w0.254: U1.24 118.262,97.053 R9.1@122.301,101.092
NetR18_1: R18.1 R21.2 U2.3 | length 6.4
  Top Layer w0.381: U2.3 86.233,60.833 88.265,58.801 88.265,57.92 ; R21.2 88.265,57.92 ; R18.1 88.265,57.92
NetR19_2: R19.2 R20.2 U2.2 | length 3.7
  Top Layer w0.381: R20.2 R19.2 U2.2
NetR22_2: R22.2 U3.2 | length 7.5
  Bottom Layer w0.254: v1(93.98,69.461) 94.361,69.08 v1(94.361,62.103)
NetR23_1: R23.1 U4.44 | length 5.2
  Top Layer w0.254: U4.44 97.822,85.884 99.052,87.114 R23.1
NetR24_2: R24.2 U3.3 | length 7.4
  Bottom Layer w0.254: v1(95.631,62.17) 95.631,69.342 v1(95.758,69.469)
NetR26_1: R26.1 U5.4 | length 2
  Top Layer w0.254: U5.4 83.428,110.106 84.058,110.736 R26.1
NetR27_1: R27.1 R28.2 | length 1.8
  Top Layer w0.254: R27.1 R28.2
NetR28_1: R28.1 R29.1 U5.3 | length 4.2
  Top Layer w0.254: U5.3 87.294,109.027 R28.1 R29.1
NRST: C15.2 JP1.5 R25.1 S1.1 U4.7 | length 23.4
  Top Layer w0.254: JP1.5 81.153,69.342 83.8,71.989 v1(83.8,73.846) ; C15.2 88.52,71 R25.1 90.17,74.802 90.17,75.692 92.573,78.095 U4.7
  Bottom Layer w0.254: v1(83.8,73.846) 87.698,73.846 v1(88.392,73.152)
OSC_IN: C14.1 U4.5 Y2.1 | length 9.6
  Top Layer w0.254: Y2.1@85.598,80.681 85.816,80.681 86.596,79.901 88.264,79.901 89.07,79.095 U4.5
OSC_OUT: C17.1 U4.6 Y2.2 | length 9.8
  Top Layer w0.254: Y2.2@85.598,76.581 86.76,77.743 C17.1 89.371,78.595 U4.6
P00: Px1.10 R5.1 U1.33 | length 23.5
  Top Layer w0.254: R5.1 111.062,98.48 U1.33 ; v1(124.855,100.598) Px1.10
  Bottom Layer w0.254: v2(110.109,99.441) 111.266,100.598 v1(124.855,100.598)
P01: Px1.9 R1.1 U1.32 | length 21.4
  Top Layer w0.254: R1.1 v1(111.862,99.458) U1.32
  Bottom Layer w0.254: v1(111.862,99.458) 125.874,99.458 v1(125.984,99.568)
P02: Px1.8 R6.1 U1.31 | length 19.6
  Top Layer w0.254: R6.1 112.662,100.436 U1.31 ; v1(125.049,98.598) Px1.8
  Bottom Layer w0.254: v1(112.649,98.552) 112.695,98.598 v1(125.049,98.598)
P03: Px1.7 R2.1 U1.30 | length 19
  Top Layer w0.254: R2.1 v1(113.411,97.917) 113.411,95.109 U1.30
  Bottom Layer w0.254: v1(113.411,97.917) 120.65,97.917 121.031,97.536 v1(125.857,97.536)
P04: Px1.6 R7.1 U1.29 | length 18.2
  Top Layer w0.254: U1.29 114.262,100.538 R7.1 ; v1(124.968,96.52) 125.046,96.598 Px1.6
  Bottom Layer w0.254: v1(114.3,97.155) 120.269,97.155 120.904,96.52 v1(124.968,96.52)
P05: Px1.5 R3.1 U1.28 | length 18.1
  Top Layer w0.254: U1.28 v1(115.062,96.52) 115.062,99.568 R3.1@116.586,101.092 ; v1(125.857,95.504) Px1.5@125.984,95.631
  Bottom Layer w0.254: v1(115.062,96.52) 119.888,96.52 120.904,95.504 v1(125.857,95.504)
P06: Px1.4 R8.1 U1.26 | length 19.3
  Top Layer w0.254: v1(116.205,93.218) 116.662,93.675 U1.26 116.662,98.12 119.126,100.584 R8.1 ; v1(124.985,94.598) Px1.4
  Bottom Layer w0.254: v1(116.205,93.218) 117.585,94.598 v1(124.985,94.598)
P07: Px1.3 R4.1 U1.25 | length 21.1
  Top Layer w0.254: v1(116.205,92.075) 117.462,93.332 U1.25 117.462,98.031 R4.1@120.523,101.092
  Bottom Layer w0.254: v1(116.205,92.075) 117.729,93.599 v1(125.857,93.599)
P10: U1.17
P11: Py1.12 U1.16 | length 6.9
  Top Layer w0.254: U1.16 122.593,88.608 124.079,87.122 124.079,85.979 124.999,85.059 Py1.12
P12: Py1.11 U1.15 | length 7
  Top Layer w0.254: U1.15 122.504,87.808 123.571,86.741 123.571,85.471 124.983,84.059 Py1.11
P13: Py1.10 U1.14 | length 6.9
  Top Layer w0.254: U1.14 122.034,87.008 122.936,86.106 122.936,85.211 125.088,83.059 Py1.10
P14: Py1.9 U1.12 | length 6.1
  Top Layer w0.254: U1.12 121.729,85.408 125.078,82.059 Py1.9
P15: Py1.8 U1.11 | length 7.9
  Top Layer w0.254: U1.11 119.062,83.122 121.125,81.059 Py1.8
P16: Py1.7 U1.10 | length 9.1
  Top Layer w0.254: U1.10 118.262,83.033 121.236,80.059 Py1.7
P17: Py1.6 U1.9 | length 10.3
  Top Layer w0.254: U1.9 117.462,83.071 121.474,79.059 Py1.6
P20: U1.39
P21: U1.38
P22: R16.1 U1.37 | length 5.2
  Top Layer w0.254: R16.1 104.851,91.008 U1.37
P23: R15.1 U1.36 | length 5.2
  Top Layer w0.254: R15.1 104.915,91.808 U1.36
P24: Py1.2 U1.21 | length 21.4
  Top Layer w0.254: U1.21 v1(122.047,92.608)
  Bottom Layer w0.254: v1(122.047,92.608) 122.047,77.47 124.46,75.057 v1(125.984,75.057)
P25: Py1.3 U1.20 | length 19.4
  Top Layer w0.254: U1.20 v1(122.923,91.808)
  Bottom Layer w0.254: v1(122.923,91.808) 122.923,77.356 124.206,76.073 v1(125.095,76.073)
P26: Py1.4 U1.19 | length 18.6
  Top Layer w0.254: U1.19 v1(123.622,91.008) ; v1(125.73,77.089) Py1.4@125.857,76.962
  Bottom Layer w0.254: v1(123.622,91.008) 123.622,77.927 124.46,77.089 v1(125.73,77.089)
P27: Py1.5 U1.18 | length 16.2
  Top Layer w0.254: U1.18 v1(124.422,90.208)
  Bottom Layer w0.254: v1(124.422,90.208) 124.422,78.651 v1(125.095,77.978)
SGND: D7.1 R27.2 U5.2 | length 9.9
  Top Layer w0.254: U5.2@86.355,108.204 R27.2
  Bottom Layer w0.254: v1(86.098,108.077) 89.332,108.077 v3(92.702,111.447)
SWD_CLK: JP1.4 P3.1 U4.37 | length 39.4
  Top Layer w0.254: v1(101.346,84.455) 101.322,84.431 101.322,83.058 105.918,83.058 107.696,81.28 P3.1
  Bottom Layer w0.254: JP1.4 84.201,77.089 84.201,82.55 86.106,84.455 v1(101.346,84.455)
SWD_DIO: JP1.3 P2.1 U4.34 | length 40.6
  Top Layer w0.254: v1(100.838,80.391) 101.134,80.095 U4.34 104.225,80.095 P2.1
  Bottom Layer w0.254: JP1.3 83.312,78.74 83.312,82.931 85.598,85.217 v1(102.108,85.217) 102.108,81.661 v1(100.838,80.391)
UART1_RXD: P4.5 U4.30 | length 28.4
  Top Layer w0.254: U4.30 105.42,78.095 118.982,64.533 P4.5
UART1_TXD: P4.6 U4.29 | length 28.4
  Top Layer w0.254: U4.29 105.345,77.595 116.459,66.481 v1(116.459,65.532) ; v1(119.507,65.532) v1(119.507,65.532) P4.6
  Bottom Layer w0.254: v1(116.459,65.532) v1(119.507,65.532)
V3.3: C1.2 C2.1 C3.1 C4.1 C16.1 C18.1 C19.1 C20.1 C26.2 C27.2 C30.2 C31.2 FB1.1 JP1.1 P5.1 Px1.2 R1.2 R2.2 R3.2 R4.2 R5.2 R6.2 R7.2 R8.2 R9.2 R17.2 R18.2 R25.2 U1.27 U1.40 U1.43 U2.8 U4.1 U4.24 U4.48 VR1.2 VR2.2 | length 239.1
  Top Layer w0.254: JP1.1 78.994,81.034 v1(81.272,83.312) v1(81.272,88.186) VR1.2@81.28,88.186 ; v1(80.01,65.024) R17.2 ; VR1.2@81.272,94.178 VR1.2@81.28,94.186 ; v1(86.741,74.803) v1(86.741,74.803) ; VR2.2@88.225,88.186 v1(88.265,88.146) VR2.2@88.265,88.186 ; v1(88.257,83.566) VR2.2@88.257,88.146 ; VR2.2@88.257,94.178 VR2.2@88.265,94.186 ; v1(89.027,56.38) C16.1 ; C19.1 94.488,86.622 v1(94.488,83.566) ; v1@94.522,83.566 U4.1 98.61,81.095 101.322,78.383 U4.24 101.322,71.533 C18.1 ; C20.1 95.822,87.05 U4.48 ; C4.1 104.885,86.208 U1.43 ; v1(104.14,88.646) 104.178,88.608 U1.40 ; U1.27 115.862,98.717 117.983,100.838 117.983,103.005
  Top Layer w0.762: v1(81.272,88.186) VR1.2@81.272,94.178 ; VR1.2@81.28,88.186 VR2.2@88.225,88.186 ; v1(86.74,73.152) v1(86.741,74.803) ; v1(86.741,83.566) v1(88.257,83.566) ; FB1.1 86.994,65.025 88.646,63.373 v1(90.611,63.373) ; VR2.2@88.257,88.186 VR2.2@88.257,94.178 ; C3.1 94.742,99.568 99.54,104.366 C2.1 104.422,104.366 105.783,103.005 R5.2 R1.2 R6.2 R2.2 R7.2 R3.2 ; R3.2@117.348,103.005 117.983,103.005 R8.2 R4.2 R9.2 124.384,104.707 129.989,104.707 130.302,104.394 130.302,93.98 128.905,92.583 v1(124.968,92.583)
  Bottom Layer w0.254: v1(80.01,65.024) 81.661,63.373 v1(90.611,63.373) 89.027,61.789 v1(89.027,56.38) ; v1(86.741,66.675) v1(86.741,66.675)
  Bottom Layer w0.508: v1(81.272,83.312) 81.272,85.59 83.82,88.138 88.265,88.138 92.202,92.075 92.202,94.996 C3.1 ; C2.1 104.14,101.445 v1(104.14,88.646) v1(104.14,85.471) 104.14,82.042 v1(107.95,78.232)
  Bottom Layer w0.762: v1(86.741,66.675) v1(86.74,73.152) ; v1(86.741,74.803) v1(86.741,83.566) ; v1(88.257,83.566) v1(94.488,83.566)
V5.0: C13.2 U3.16 USB1.1 | length 27.7
  Top Layer w0.254: C13.2 93.039,67.318 U3.16 93.091,65.913 93.98,65.024 v1(99.822,65.024) ; v1(114.173,64.008) 114.2,63.981 114.2,61.603
  Bottom Layer w0.254: v1(99.822,65.024) 113.157,65.024 v1(114.173,64.008)
VBUS: C23.2 D4.1 F1.2 R26.2 U5.5 | length 34.9
  Top Layer w0.254: v1(81.4,108.077) v1(81.4,108.077) ; U5.5 83.939,108.077 84.955,109.093 84.955,110.101 R26.2
  Top Layer w0.508: C23.2@81.28,107.957 v1(81.4,108.077) ; D4.1 D4.1@85.598,113.098 ; F1.2@96.266,108.331 v1(97.536,108.331)
  Top Layer w0.762: v1(81.28,105.537) C23.2@81.28,107.957 ; v1(81.4,108.077) U5.5 ; v1(82.296,111.506) 82.804,111.506 84.836,113.538 D4.1
  Bottom Layer w0.762: v1(81.28,105.537) 94.742,105.537 v1(97.536,108.331) ; v1(82.296,108.077) v1(82.296,111.506)
VDD_5.0: C21.1 C24.2 C25.2 C28.2 C29.2 D6.1 L1.2 R29.2 VR1.3 VR2.3 | length 45.6
  Top Layer w0.508: v1(78.98,93.359) VR1.3 78.993,94.199 v1(78.994,99.06) ; VR2.3 85.978,94.199 85.978,94.615 85.942,94.651 v1(85.942,102.235) 88.892,102.235 90.163,103.506 v1(90.162,104.648) 90.199,104.684 D6.1 90.924,107.278 90.924,110.625 v1(89.789,111.76) ; C29.2@85.978,96.52 C28.2
  Bottom Layer w0.254: v1(78.98,93.359) 78.994,93.345 v1(86.106,93.345)
  Bottom Layer w0.508: v1(78.994,99.06) 78.994,99.822 81.407,102.235 v1(85.942,102.235)
VDDA: FB1.2 U4.9 | length 13.8
  Top Layer w0.254: FB1.2 90.983,68.884 90.983,75.235 92.843,77.095 U4.9
VOICE: C9.2 U4.10 | length 22.3
  Top Layer w0.254: v1(92.202,74.676) 92.202,75.692 93.105,76.595 U4.10
  Top Layer w0.381: C9.2 82.042,64.016 v1(82.042,64.135)
  Bottom Layer w0.381: v1(82.042,64.135) 88.138,64.135 89.408,65.405 89.408,71.882 v1(92.202,74.676)
pads on no net: P1.0 P4.0 Px1.0 Py1.0 Py1.1 U1.2 U1.5 U1.6 U1.13 U1.22 U1.23 U1.35 U2.5 U2.6 U2.7 U3.9 U3.10 U3.11 U3.12 U3.13 U3.14 U3.15 U4.2 U4.3 U4.4 U4.11 U4.14 U4.15 U4.16 U4.18 U4.19 U4.20 U4.21 U4.22 U4.25 U4.26 U4.27 U4.28 U4.31 U4.32 U4.33 U4.35 U4.36 U4.38 U4.39 U4.40 U4.41 U4.42 U4.43 U4.45 U4.46 USB1.4 USB1.MH1 USB1.MH2

## Keep-outs
Keep-Out Layer:
  lines w0.127: 77.47,54.737 77.47,119.38 131.318,119.38 131.318,54.737 77.47,54.737

## Other copper
Top Layer:
  rectangle net V3.3: 94.488,83.185 95.822,83.947